# Altium PCB 移动无线控制.PcbDoc (part 1 of 4) (continued)
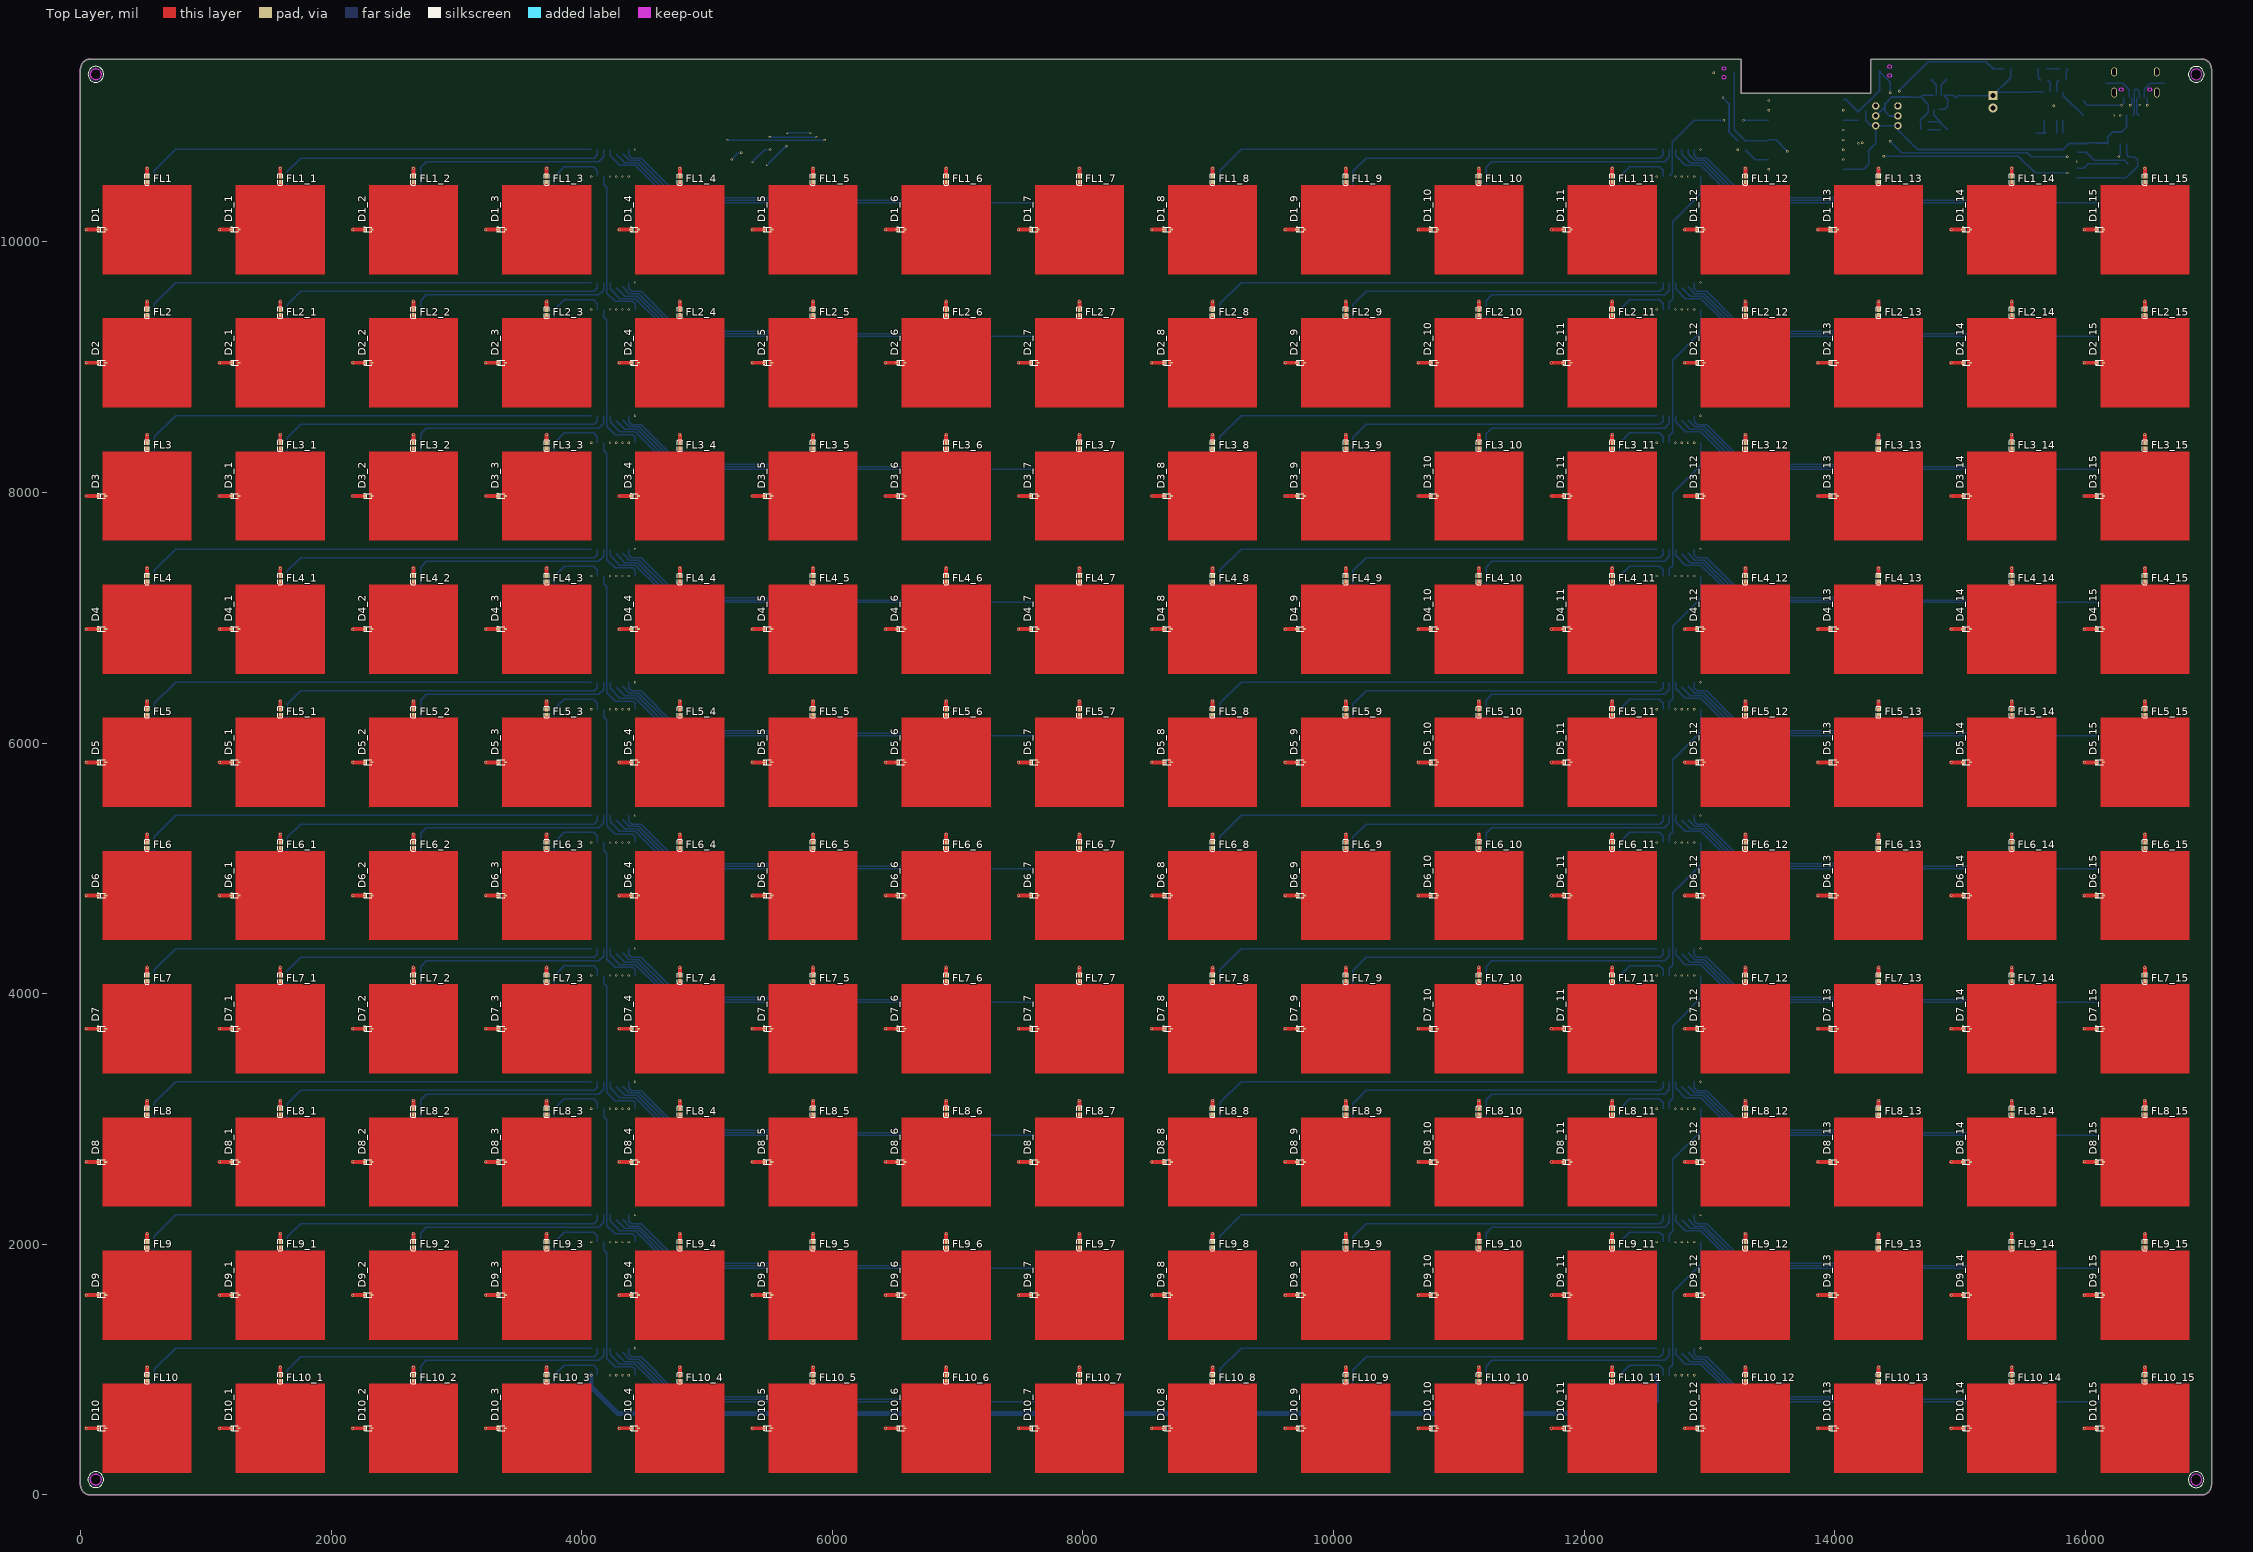
[diagram p0: Top Layer view]
## Components (designator, comment, footprint, x,y, rotation, side; value= is the part's Value field where it differs from the comment) (continued)
BR_8_1 "24K" R0603 560.26,10405.5 r0 bottom (schematic designator R57)
BR_8_2 "24K" R0603 9064.2,9342.51 r0 bottom (schematic designator R57)
BR_8_3 "24K" R0603 560.26,9342.51 r0 bottom (schematic designator R57)
BR_8_4 "24K" R0603 9064.2,8279.52 r0 bottom (schematic designator R57)
BR_8_5 "24K" R0603 560.26,8279.52 r0 bottom (schematic designator R57)
BR_8_6 "24K" R0603 9064.2,7216.52 r0 bottom (schematic designator R57)
BR_8_7 "24K" R0603 560.26,7216.52 r0 bottom (schematic designator R57)
BR_8_8 "24K" R0603 9064.2,6153.53 r0 bottom (schematic designator R57)
BR_8_9 "24K" R0603 560.26,6153.53 r0 bottom (schematic designator R57)
BR_8_10 "24K" R0603 9064.2,5090.54 r0 bottom (schematic designator R57)
BR_8_11 "24K" R0603 560.26,5090.54 r0 bottom (schematic designator R57)
BR_8_12 "24K" R0603 9064.2,4027.55 r0 bottom (schematic designator R57)
BR_8_13 "24K" R0603 560.26,4027.55 r0 bottom (schematic designator R57)
BR_8_14 "24K" R0603 9064.2,2964.56 r0 bottom (schematic designator R57)
BR_8_15 "24K" R0603 560.26,2964.56 r0 bottom (schematic designator R57)
BR_8_16 "24K" R0603 9064.2,1901.56 r0 bottom (schematic designator R57)
BR_8_17 "24K" R0603 560.26,1901.56 r0 bottom (schematic designator R57)
BR_8_18 "24K" R0603 9064.2,838.57 r0 bottom (schematic designator R57)
BR_8_19 "24K" R0603 560.26,838.57 r0 bottom (schematic designator R57)
C1 "22u" C0805 14689.2,11114.6 r90 bottom
C2 "68pF" C0603#1 14875.02,10893.91 r180 bottom
C3 "22u" C0805 14598,11114.9 r90 bottom
C4 "CC0603KRX7R9BB104" C0603#1 15608.9,10840.26 r90 bottom
C5 "10u" C0805 14968,11109.4 r90 bottom
C6 "CC0603KRX7R9BB104" C0603#1 15493.7,11167.7 r90 bottom
C7 "C0603" C0603#2 16098.7,10822 r270 bottom
C8 "C0603" C0603#2 16018.5,10820.1 r90 bottom
C9 "100nF" C0603#1 15572.2,11167 r90 bottom
C12 "10u" C0603#1 14244.4,10732 r0 bottom
C13 "100nF" C0603#1 14244.4,10654.4 r0 bottom
C14 "100nF" C0603#1 15683.3,10841.1 r90 bottom
D1 "Comment" SC-79_L1.2-W0.8-LS1.6-RD 170.91,10099 r0 top locked
D1_1 "Comment" SC-79_L1.2-W0.8-LS1.6-RD 1233.91,10099 r0 top locked
D1_2 "Comment" SC-79_L1.2-W0.8-LS1.6-RD 2296.9,10099 r0 top locked
D1_3 "Comment" SC-79_L1.2-W0.8-LS1.6-RD 3359.89,10099 r0 top locked
D1_4 "Comment" SC-79_L1.2-W0.8-LS1.6-RD 4422.88,10099 r0 top locked
D1_5 "Comment" SC-79_L1.2-W0.8-LS1.6-RD 5485.88,10099 r0 top locked
D1_6 "Comment" SC-79_L1.2-W0.8-LS1.6-RD 6548.87,10099 r0 top locked
D1_7 "Comment" SC-79_L1.2-W0.8-LS1.6-RD 7611.86,10099 r0 top locked
D1_8 "Comment" SC-79_L1.2-W0.8-LS1.6-RD 8674.85,10099 r0 top locked
D1_9 "Comment" SC-79_L1.2-W0.8-LS1.6-RD 9737.84,10099 r0 top locked
D1_10 "Comment" SC-79_L1.2-W0.8-LS1.6-RD 10800.84,10099 r0 top locked
D1_11 "Comment" SC-79_L1.2-W0.8-LS1.6-RD 11863.83,10099 r0 top locked
D1_12 "Comment" SC-79_L1.2-W0.8-LS1.6-RD 12926.82,10099 r0 top locked
D1_13 "Comment" SC-79_L1.2-W0.8-LS1.6-RD 13989.81,10099 r0 top locked
D1_14 "Comment" SC-79_L1.2-W0.8-LS1.6-RD 15052.8,10099 r0 top locked
D1_15 "Comment" SC-79_L1.2-W0.8-LS1.6-RD 16115.8,10099 r0 top locked
D2 "Comment" SC-79_L1.2-W0.8-LS1.6-RD 170.91,9036.01 r0 top locked
D2_1 "Comment" SC-79_L1.2-W0.8-LS1.6-RD 1233.91,9036.01 r0 top locked
D2_2 "Comment" SC-79_L1.2-W0.8-LS1.6-RD 2296.9,9036.01 r0 top locked
D2_3 "Comment" SC-79_L1.2-W0.8-LS1.6-RD 3359.89,9036.01 r0 top locked
D2_4 "Comment" SC-79_L1.2-W0.8-LS1.6-RD 4422.88,9036.01 r0 top locked
D2_5 "Comment" SC-79_L1.2-W0.8-LS1.6-RD 5485.88,9036.01 r0 top locked
D2_6 "Comment" SC-79_L1.2-W0.8-LS1.6-RD 6548.87,9036.01 r0 top locked
D2_7 "Comment" SC-79_L1.2-W0.8-LS1.6-RD 7611.86,9036.01 r0 top locked
D2_8 "Comment" SC-79_L1.2-W0.8-LS1.6-RD 8674.85,9036.01 r0 top locked
D2_9 "Comment" SC-79_L1.2-W0.8-LS1.6-RD 9737.84,9036.01 r0 top locked
D2_10 "Comment" SC-79_L1.2-W0.8-LS1.6-RD 10800.84,9036.01 r0 top locked
D2_11 "Comment" SC-79_L1.2-W0.8-LS1.6-RD 11863.83,9036.01 r0 top locked
D2_12 "Comment" SC-79_L1.2-W0.8-LS1.6-RD 12926.82,9036.01 r0 top locked
D2_13 "Comment" SC-79_L1.2-W0.8-LS1.6-RD 13989.81,9036.01 r0 top locked
D2_14 "Comment" SC-79_L1.2-W0.8-LS1.6-RD 15052.8,9036.01 r0 top locked
D2_15 "Comment" SC-79_L1.2-W0.8-LS1.6-RD 16115.8,9036.01 r0 top locked
D3 "Comment" SC-79_L1.2-W0.8-LS1.6-RD 170.91,7973.02 r0 top locked
D3_1 "Comment" SC-79_L1.2-W0.8-LS1.6-RD 1233.91,7973.02 r0 top locked
D3_2 "Comment" SC-79_L1.2-W0.8-LS1.6-RD 2296.9,7973.02 r0 top locked
D3_3 "Comment" SC-79_L1.2-W0.8-LS1.6-RD 3359.89,7973.02 r0 top locked
D3_4 "Comment" SC-79_L1.2-W0.8-LS1.6-RD 4422.88,7973.02 r0 top locked
D3_5 "Comment" SC-79_L1.2-W0.8-LS1.6-RD 5485.88,7973.02 r0 top locked
D3_6 "Comment" SC-79_L1.2-W0.8-LS1.6-RD 6548.87,7973.02 r0 top locked
D3_7 "Comment" SC-79_L1.2-W0.8-LS1.6-RD 7611.86,7973.02 r0 top locked
D3_8 "Comment" SC-79_L1.2-W0.8-LS1.6-RD 8674.85,7973.02 r0 top locked
D3_9 "Comment" SC-79_L1.2-W0.8-LS1.6-RD 9737.84,7973.02 r0 top locked
D3_10 "Comment" SC-79_L1.2-W0.8-LS1.6-RD 10800.84,7973.02 r0 top locked
D3_11 "Comment" SC-79_L1.2-W0.8-LS1.6-RD 11863.83,7973.02 r0 top locked
D3_12 "Comment" SC-79_L1.2-W0.8-LS1.6-RD 12926.82,7973.02 r0 top locked
D3_13 "Comment" SC-79_L1.2-W0.8-LS1.6-RD 13989.81,7973.02 r0 top locked
D3_14 "Comment" SC-79_L1.2-W0.8-LS1.6-RD 15052.8,7973.02 r0 top locked
D3_15 "Comment" SC-79_L1.2-W0.8-LS1.6-RD 16115.8,7973.02 r0 top locked
D4 "Comment" SC-79_L1.2-W0.8-LS1.6-RD 170.91,6910.02 r0 top locked
D4_1 "Comment" SC-79_L1.2-W0.8-LS1.6-RD 1233.91,6910.02 r0 top locked
D4_2 "Comment" SC-79_L1.2-W0.8-LS1.6-RD 2296.9,6910.02 r0 top locked
D4_3 "Comment" SC-79_L1.2-W0.8-LS1.6-RD 3359.89,6910.02 r0 top locked
D4_4 "Comment" SC-79_L1.2-W0.8-LS1.6-RD 4422.88,6910.02 r0 top locked
D4_5 "Comment" SC-79_L1.2-W0.8-LS1.6-RD 5485.88,6910.02 r0 top locked
D4_6 "Comment" SC-79_L1.2-W0.8-LS1.6-RD 6548.87,6910.02 r0 top locked
D4_7 "Comment" SC-79_L1.2-W0.8-LS1.6-RD 7611.86,6910.02 r0 top locked
D4_8 "Comment" SC-79_L1.2-W0.8-LS1.6-RD 8674.85,6910.02 r0 top locked
D4_9 "Comment" SC-79_L1.2-W0.8-LS1.6-RD 9737.84,6910.02 r0 top locked
D4_10 "Comment" SC-79_L1.2-W0.8-LS1.6-RD 10800.84,6910.02 r0 top locked
D4_11 "Comment" SC-79_L1.2-W0.8-LS1.6-RD 11863.83,6910.02 r0 top locked
D4_12 "Comment" SC-79_L1.2-W0.8-LS1.6-RD 12926.82,6910.02 r0 top locked
D4_13 "Comment" SC-79_L1.2-W0.8-LS1.6-RD 13989.81,6910.02 r0 top locked
D4_14 "Comment" SC-79_L1.2-W0.8-LS1.6-RD 15052.8,6910.02 r0 top locked
D4_15 "Comment" SC-79_L1.2-W0.8-LS1.6-RD 16115.8,6910.02 r0 top locked
D5 "Comment" SC-79_L1.2-W0.8-LS1.6-RD 170.91,5847.03 r0 top locked
D5_1 "Comment" SC-79_L1.2-W0.8-LS1.6-RD 1233.91,5847.03 r0 top locked
D5_2 "Comment" SC-79_L1.2-W0.8-LS1.6-RD 2296.9,5847.03 r0 top locked
D5_3 "Comment" SC-79_L1.2-W0.8-LS1.6-RD 3359.89,5847.03 r0 top locked
D5_4 "Comment" SC-79_L1.2-W0.8-LS1.6-RD 4422.88,5847.03 r0 top locked
D5_5 "Comment" SC-79_L1.2-W0.8-LS1.6-RD 5485.88,5847.03 r0 top locked
D5_6 "Comment" SC-79_L1.2-W0.8-LS1.6-RD 6548.87,5847.03 r0 top locked
D5_7 "Comment" SC-79_L1.2-W0.8-LS1.6-RD 7611.86,5847.03 r0 top locked
D5_8 "Comment" SC-79_L1.2-W0.8-LS1.6-RD 8674.85,5847.03 r0 top locked
D5_9 "Comment" SC-79_L1.2-W0.8-LS1.6-RD 9737.84,5847.03 r0 top locked
D5_10 "Comment" SC-79_L1.2-W0.8-LS1.6-RD 10800.84,5847.03 r0 top locked
D5_11 "Comment" SC-79_L1.2-W0.8-LS1.6-RD 11863.83,5847.03 r0 top locked
D5_12 "Comment" SC-79_L1.2-W0.8-LS1.6-RD 12926.82,5847.03 r0 top locked
D5_13 "Comment" SC-79_L1.2-W0.8-LS1.6-RD 13989.81,5847.03 r0 top locked
D5_14 "Comment" SC-79_L1.2-W0.8-LS1.6-RD 15052.8,5847.03 r0 top locked
D5_15 "Comment" SC-79_L1.2-W0.8-LS1.6-RD 16115.8,5847.03 r0 top locked
D6 "Comment" SC-79_L1.2-W0.8-LS1.6-RD 170.91,4784.04 r0 top locked
D6_1 "Comment" SC-79_L1.2-W0.8-LS1.6-RD 1233.91,4784.04 r0 top locked
D6_2 "Comment" SC-79_L1.2-W0.8-LS1.6-RD 2296.9,4784.04 r0 top locked
D6_3 "Comment" SC-79_L1.2-W0.8-LS1.6-RD 3359.89,4784.04 r0 top locked
D6_4 "Comment" SC-79_L1.2-W0.8-LS1.6-RD 4422.88,4784.04 r0 top locked
D6_5 "Comment" SC-79_L1.2-W0.8-LS1.6-RD 5485.88,4784.04 r0 top locked
D6_6 "Comment" SC-79_L1.2-W0.8-LS1.6-RD 6548.87,4784.04 r0 top locked
D6_7 "Comment" SC-79_L1.2-W0.8-LS1.6-RD 7611.86,4784.04 r0 top locked
D6_8 "Comment" SC-79_L1.2-W0.8-LS1.6-RD 8674.85,4784.04 r0 top locked
D6_9 "Comment" SC-79_L1.2-W0.8-LS1.6-RD 9737.84,4784.04 r0 top locked
D6_10 "Comment" SC-79_L1.2-W0.8-LS1.6-RD 10800.84,4784.04 r0 top locked
D6_11 "Comment" SC-79_L1.2-W0.8-LS1.6-RD 11863.83,4784.04 r0 top locked
D6_12 "Comment" SC-79_L1.2-W0.8-LS1.6-RD 12926.82,4784.04 r0 top locked
D6_13 "Comment" SC-79_L1.2-W0.8-LS1.6-RD 13989.81,4784.04 r0 top locked
D6_14 "Comment" SC-79_L1.2-W0.8-LS1.6-RD 15052.8,4784.04 r0 top locked
D6_15 "Comment" SC-79_L1.2-W0.8-LS1.6-RD 16115.8,4784.04 r0 top locked
D7 "Comment" SC-79_L1.2-W0.8-LS1.6-RD 170.91,3721.05 r0 top locked
D7_1 "Comment" SC-79_L1.2-W0.8-LS1.6-RD 1233.91,3721.05 r0 top locked
D7_2 "Comment" SC-79_L1.2-W0.8-LS1.6-RD 2296.9,3721.05 r0 top locked
D7_3 "Comment" SC-79_L1.2-W0.8-LS1.6-RD 3359.89,3721.05 r0 top locked
D7_4 "Comment" SC-79_L1.2-W0.8-LS1.6-RD 4422.88,3721.05 r0 top locked
D7_5 "Comment" SC-79_L1.2-W0.8-LS1.6-RD 5485.88,3721.05 r0 top locked
D7_6 "Comment" SC-79_L1.2-W0.8-LS1.6-RD 6548.87,3721.05 r0 top locked
D7_7 "Comment" SC-79_L1.2-W0.8-LS1.6-RD 7611.86,3721.05 r0 top locked
D7_8 "Comment" SC-79_L1.2-W0.8-LS1.6-RD 8674.85,3721.05 r0 top locked
D7_9 "Comment" SC-79_L1.2-W0.8-LS1.6-RD 9737.84,3721.05 r0 top locked
D7_10 "Comment" SC-79_L1.2-W0.8-LS1.6-RD 10800.84,3721.05 r0 top locked
D7_11 "Comment" SC-79_L1.2-W0.8-LS1.6-RD 11863.83,3721.05 r0 top locked
D7_12 "Comment" SC-79_L1.2-W0.8-LS1.6-RD 12926.82,3721.05 r0 top locked
D7_13 "Comment" SC-79_L1.2-W0.8-LS1.6-RD 13989.81,3721.05 r0 top locked
D7_14 "Comment" SC-79_L1.2-W0.8-LS1.6-RD 15052.8,3721.05 r0 top locked
D7_15 "Comment" SC-79_L1.2-W0.8-LS1.6-RD 16115.8,3721.05 r0 top locked
D8 "Comment" SC-79_L1.2-W0.8-LS1.6-RD 170.91,2658.06 r0 top locked
D8_1 "Comment" SC-79_L1.2-W0.8-LS1.6-RD 1233.91,2658.06 r0 top locked
D8_2 "Comment" SC-79_L1.2-W0.8-LS1.6-RD 2296.9,2658.06 r0 top locked
D8_3 "Comment" SC-79_L1.2-W0.8-LS1.6-RD 3359.89,2658.06 r0 top locked
D8_4 "Comment" SC-79_L1.2-W0.8-LS1.6-RD 4422.88,2658.06 r0 top locked
D8_5 "Comment" SC-79_L1.2-W0.8-LS1.6-RD 5485.88,2658.06 r0 top locked
D8_6 "Comment" SC-79_L1.2-W0.8-LS1.6-RD 6548.87,2658.06 r0 top locked
D8_7 "Comment" SC-79_L1.2-W0.8-LS1.6-RD 7611.86,2658.06 r0 top locked
D8_8 "Comment" SC-79_L1.2-W0.8-LS1.6-RD 8674.85,2658.06 r0 top locked
D8_9 "Comment" SC-79_L1.2-W0.8-LS1.6-RD 9737.84,2658.06 r0 top locked
D8_10 "Comment" SC-79_L1.2-W0.8-LS1.6-RD 10800.84,2658.06 r0 top locked
D8_11 "Comment" SC-79_L1.2-W0.8-LS1.6-RD 11863.83,2658.06 r0 top locked
D8_12 "Comment" SC-79_L1.2-W0.8-LS1.6-RD 12926.82,2658.06 r0 top locked
D8_13 "Comment" SC-79_L1.2-W0.8-LS1.6-RD 13989.81,2658.06 r0 top locked
D8_14 "Comment" SC-79_L1.2-W0.8-LS1.6-RD 15052.8,2658.06 r0 top locked
D8_15 "Comment" SC-79_L1.2-W0.8-LS1.6-RD 16115.8,2658.06 r0 top locked
D9 "Comment" SC-79_L1.2-W0.8-LS1.6-RD 170.91,1595.06 r0 top locked
D9_1 "Comment" SC-79_L1.2-W0.8-LS1.6-RD 1233.91,1595.06 r0 top locked
D9_2 "Comment" SC-79_L1.2-W0.8-LS1.6-RD 2296.9,1595.06 r0 top locked
D9_3 "Comment" SC-79_L1.2-W0.8-LS1.6-RD 3359.89,1595.06 r0 top locked
D9_4 "Comment" SC-79_L1.2-W0.8-LS1.6-RD 4422.88,1595.06 r0 top locked
D9_5 "Comment" SC-79_L1.2-W0.8-LS1.6-RD 5485.88,1595.06 r0 top locked
D9_6 "Comment" SC-79_L1.2-W0.8-LS1.6-RD 6548.87,1595.06 r0 top locked
D9_7 "Comment" SC-79_L1.2-W0.8-LS1.6-RD 7611.86,1595.06 r0 top locked
D9_8 "Comment" SC-79_L1.2-W0.8-LS1.6-RD 8674.85,1595.06 r0 top locked
D9_9 "Comment" SC-79_L1.2-W0.8-LS1.6-RD 9737.84,1595.06 r0 top locked
D9_10 "Comment" SC-79_L1.2-W0.8-LS1.6-RD 10800.84,1595.06 r0 top locked
D9_11 "Comment" SC-79_L1.2-W0.8-LS1.6-RD 11863.83,1595.06 r0 top locked
D9_12 "Comment" SC-79_L1.2-W0.8-LS1.6-RD 12926.82,1595.06 r0 top locked
D9_13 "Comment" SC-79_L1.2-W0.8-LS1.6-RD 13989.81,1595.06 r0 top locked
D9_14 "Comment" SC-79_L1.2-W0.8-LS1.6-RD 15052.8,1595.06 r0 top locked
D9_15 "Comment" SC-79_L1.2-W0.8-LS1.6-RD 16115.8,1595.06 r0 top locked
D10 "Comment" SC-79_L1.2-W0.8-LS1.6-RD 170.91,532.07 r0 top locked
D10_1 "Comment" SC-79_L1.2-W0.8-LS1.6-RD 1233.91,532.07 r0 top locked
D10_2 "Comment" SC-79_L1.2-W0.8-LS1.6-RD 2296.9,532.07 r0 top locked
D10_3 "Comment" SC-79_L1.2-W0.8-LS1.6-RD 3359.89,532.07 r0 top locked
D10_4 "Comment" SC-79_L1.2-W0.8-LS1.6-RD 4422.88,532.07 r0 top locked
D10_5 "Comment" SC-79_L1.2-W0.8-LS1.6-RD 5485.88,532.07 r0 top locked
D10_6 "Comment" SC-79_L1.2-W0.8-LS1.6-RD 6548.87,532.07 r0 top locked
D10_7 "Comment" SC-79_L1.2-W0.8-LS1.6-RD 7611.86,532.07 r0 top locked
D10_8 "Comment" SC-79_L1.2-W0.8-LS1.6-RD 8674.85,532.07 r0 top locked
D10_9 "Comment" SC-79_L1.2-W0.8-LS1.6-RD 9737.84,532.07 r0 top locked
D10_10 "Comment" SC-79_L1.2-W0.8-LS1.6-RD 10800.84,532.07 r0 top locked
D10_11 "Comment" SC-79_L1.2-W0.8-LS1.6-RD 11863.83,532.07 r0 top locked
D10_12 "Comment" SC-79_L1.2-W0.8-LS1.6-RD 12926.82,532.07 r0 top locked
D10_13 "Comment" SC-79_L1.2-W0.8-LS1.6-RD 13989.81,532.07 r0 top locked
D10_14 "Comment" SC-79_L1.2-W0.8-LS1.6-RD 15052.8,532.07 r0 top locked
D10_15 "Comment" SC-79_L1.2-W0.8-LS1.6-RD 16115.8,532.07 r0 top locked
FL1 "Comment" L0402 530.84,10499.94 r270 top locked
FL1_1 "Comment" L0402 1593.83,10499.94 r270 top locked
FL1_2 "Comment" L0402 2656.83,10499.94 r270 top locked
FL1_3 "Comment" L0402 3719.82,10499.94 r270 top locked
FL1_4 "Comment" L0402 4782.81,10499.94 r270 top locked
FL1_5 "Comment" L0402 5845.8,10499.94 r270 top locked
FL1_6 "Comment" L0402 6908.8,10499.94 r270 top locked
FL1_7 "Comment" L0402 7971.79,10499.94 r270 top locked
FL1_8 "Comment" L0402 9034.78,10499.94 r270 top locked
FL1_9 "Comment" L0402 10097.77,10499.94 r270 top locked
FL1_10 "Comment" L0402 11160.76,10499.94 r270 top locked
FL1_11 "Comment" L0402 12223.76,10499.94 r270 top locked
FL1_12 "Comment" L0402 13286.75,10499.94 r270 top locked
FL1_13 "Comment" L0402 14349.74,10499.94 r270 top locked
FL1_14 "Comment" L0402 15412.73,10499.94 r270 top locked
FL1_15 "Comment" L0402 16475.72,10499.94 r270 top locked
FL2 "Comment" L0402 530.84,9436.95 r270 top locked
FL2_1 "Comment" L0402 1593.83,9436.95 r270 top locked
FL2_2 "Comment" L0402 2656.83,9436.95 r270 top locked
FL2_3 "Comment" L0402 3719.82,9436.95 r270 top locked
FL2_4 "Comment" L0402 4782.81,9436.95 r270 top locked
FL2_5 "Comment" L0402 5845.8,9436.95 r270 top locked
FL2_6 "Comment" L0402 6908.8,9436.95 r270 top locked
FL2_7 "Comment" L0402 7971.79,9436.95 r270 top locked
FL2_8 "Comment" L0402 9034.78,9436.95 r270 top locked
FL2_9 "Comment" L0402 10097.77,9436.95 r270 top locked
FL2_10 "Comment" L0402 11160.76,9436.95 r270 top locked
FL2_11 "Comment" L0402 12223.76,9436.95 r270 top locked
FL2_12 "Comment" L0402 13286.75,9436.95 r270 top locked
FL2_13 "Comment" L0402 14349.74,9436.95 r270 top locked
FL2_14 "Comment" L0402 15412.73,9436.95 r270 top locked
FL2_15 "Comment" L0402 16475.72,9436.95 r270 top locked
FL3 "Comment" L0402 530.84,8373.96 r270 top locked
FL3_1 "Comment" L0402 1593.83,8373.96 r270 top locked
FL3_2 "Comment" L0402 2656.83,8373.96 r270 top locked
FL3_3 "Comment" L0402 3719.82,8373.96 r270 top locked
FL3_4 "Comment" L0402 4782.81,8373.96 r270 top locked
FL3_5 "Comment" L0402 5845.8,8373.96 r270 top locked
FL3_6 "Comment" L0402 6908.8,8373.96 r270 top locked
FL3_7 "Comment" L0402 7971.79,8373.96 r270 top locked
FL3_8 "Comment" L0402 9034.78,8373.96 r270 top locked
FL3_9 "Comment" L0402 10097.77,8373.96 r270 top locked
FL3_10 "Comment" L0402 11160.76,8373.96 r270 top locked
FL3_11 "Comment" L0402 12223.76,8373.96 r270 top locked
FL3_12 "Comment" L0402 13286.75,8373.96 r270 top locked
FL3_13 "Comment" L0402 14349.74,8373.96 r270 top locked
FL3_14 "Comment" L0402 15412.73,8373.96 r270 top locked
FL3_15 "Comment" L0402 16475.72,8373.96 r270 top locked
FL4 "Comment" L0402 530.84,7310.97 r270 top locked
FL4_1 "Comment" L0402 1593.83,7310.97 r270 top locked
FL4_2 "Comment" L0402 2656.83,7310.97 r270 top locked
FL4_3 "Comment" L0402 3719.82,7310.97 r270 top locked
FL4_4 "Comment" L0402 4782.81,7310.97 r270 top locked
FL4_5 "Comment" L0402 5845.8,7310.97 r270 top locked
FL4_6 "Comment" L0402 6908.8,7310.97 r270 top locked
FL4_7 "Comment" L0402 7971.79,7310.97 r270 top locked
FL4_8 "Comment" L0402 9034.78,7310.97 r270 top locked
FL4_9 "Comment" L0402 10097.77,7310.97 r270 top locked
FL4_10 "Comment" L0402 11160.76,7310.97 r270 top locked
FL4_11 "Comment" L0402 12223.76,7310.97 r270 top locked
FL4_12 "Comment" L0402 13286.75,7310.97 r270 top locked
FL4_13 "Comment" L0402 14349.74,7310.97 r270 top locked
FL4_14 "Comment" L0402 15412.73,7310.97 r270 top locked
FL4_15 "Comment" L0402 16475.72,7310.97 r270 top locked
FL5 "Comment" L0402 530.84,6247.97 r270 top locked
FL5_1 "Comment" L0402 1593.83,6247.97 r270 top locked
FL5_2 "Comment" L0402 2656.83,6247.97 r270 top locked
FL5_3 "Comment" L0402 3719.82,6247.97 r270 top locked
FL5_4 "Comment" L0402 4782.81,6247.97 r270 top locked
FL5_5 "Comment" L0402 5845.8,6247.97 r270 top locked
FL5_6 "Comment" L0402 6908.8,6247.97 r270 top locked
FL5_7 "Comment" L0402 7971.79,6247.97 r270 top locked
FL5_8 "Comment" L0402 9034.78,6247.97 r270 top locked
FL5_9 "Comment" L0402 10097.77,6247.97 r270 top locked
FL5_10 "Comment" L0402 11160.76,6247.97 r270 top locked
FL5_11 "Comment" L0402 12223.76,6247.97 r270 top locked
FL5_12 "Comment" L0402 13286.75,6247.97 r270 top locked
FL5_13 "Comment" L0402 14349.74,6247.97 r270 top locked
FL5_14 "Comment" L0402 15412.73,6247.97 r270 top locked
FL5_15 "Comment" L0402 16475.72,6247.97 r270 top locked
FL6 "Comment" L0402 530.84,5184.98 r270 top locked
FL6_1 "Comment" L0402 1593.83,5184.98 r270 top locked
FL6_2 "Comment" L0402 2656.83,5184.98 r270 top locked
FL6_3 "Comment" L0402 3719.82,5184.98 r270 top locked
FL6_4 "Comment" L0402 4782.81,5184.98 r270 top locked
FL6_5 "Comment" L0402 5845.8,5184.98 r270 top locked
FL6_6 "Comment" L0402 6908.8,5184.98 r270 top locked
FL6_7 "Comment" L0402 7971.79,5184.98 r270 top locked
FL6_8 "Comment" L0402 9034.78,5184.98 r270 top locked
FL6_9 "Comment" L0402 10097.77,5184.98 r270 top locked
FL6_10 "Comment" L0402 11160.76,5184.98 r270 top locked
FL6_11 "Comment" L0402 12223.76,5184.98 r270 top locked
FL6_12 "Comment" L0402 13286.75,5184.98 r270 top locked
FL6_13 "Comment" L0402 14349.74,5184.98 r270 top locked
FL6_14 "Comment" L0402 15412.73,5184.98 r270 top locked
FL6_15 "Comment" L0402 16475.72,5184.98 r270 top locked
FL7 "Comment" L0402 530.84,4121.99 r270 top locked
FL7_1 "Comment" L0402 1593.83,4121.99 r270 top locked
FL7_2 "Comment" L0402 2656.83,4121.99 r270 top locked
FL7_3 "Comment" L0402 3719.82,4121.99 r270 top locked
FL7_4 "Comment" L0402 4782.81,4121.99 r270 top locked
FL7_5 "Comment" L0402 5845.8,4121.99 r270 top locked
FL7_6 "Comment" L0402 6908.8,4121.99 r270 top locked
FL7_7 "Comment" L0402 7971.79,4121.99 r270 top locked
FL7_8 "Comment" L0402 9034.78,4121.99 r270 top locked
FL7_9 "Comment" L0402 10097.77,4121.99 r270 top locked
FL7_10 "Comment" L0402 11160.76,4121.99 r270 top locked
FL7_11 "Comment" L0402 12223.76,4121.99 r270 top locked
FL7_12 "Comment" L0402 13286.75,4121.99 r270 top locked
FL7_13 "Comment" L0402 14349.74,4121.99 r270 top locked
FL7_14 "Comment" L0402 15412.73,4121.99 r270 top locked
FL7_15 "Comment" L0402 16475.72,4121.99 r270 top locked
FL8 "Comment" L0402 530.84,3059 r270 top locked
FL8_1 "Comment" L0402 1593.83,3059 r270 top locked
FL8_2 "Comment" L0402 2656.83,3059 r270 top locked
FL8_3 "Comment" L0402 3719.82,3059 r270 top locked
FL8_4 "Comment" L0402 4782.81,3059 r270 top locked
FL8_5 "Comment" L0402 5845.8,3059 r270 top locked
FL8_6 "Comment" L0402 6908.8,3059 r270 top locked
FL8_7 "Comment" L0402 7971.79,3059 r270 top locked
FL8_8 "Comment" L0402 9034.78,3059 r270 top locked
FL8_9 "Comment" L0402 10097.77,3059 r270 top locked
FL8_10 "Comment" L0402 11160.76,3059 r270 top locked
FL8_11 "Comment" L0402 12223.76,3059 r270 top locked
FL8_12 "Comment" L0402 13286.75,3059 r270 top locked
FL8_13 "Comment" L0402 14349.74,3059 r270 top locked
FL8_14 "Comment" L0402 15412.73,3059 r270 top locked
FL8_15 "Comment" L0402 16475.72,3059 r270 top locked
FL9 "Comment" L0402 530.84,1996.01 r270 top locked
FL9_1 "Comment" L0402 1593.83,1996.01 r270 top locked
FL9_2 "Comment" L0402 2656.83,1996.01 r270 top locked
FL9_3 "Comment" L0402 3719.82,1996.01 r270 top locked
FL9_4 "Comment" L0402 4782.81,1996.01 r270 top locked
FL9_5 "Comment" L0402 5845.8,1996.01 r270 top locked
FL9_6 "Comment" L0402 6908.8,1996.01 r270 top locked
FL9_7 "Comment" L0402 7971.79,1996.01 r270 top locked
FL9_8 "Comment" L0402 9034.78,1996.01 r270 top locked
FL9_9 "Comment" L0402 10097.77,1996.01 r270 top locked
FL9_10 "Comment" L0402 11160.76,1996.01 r270 top locked
FL9_11 "Comment" L0402 12223.76,1996.01 r270 top locked
FL9_12 "Comment" L0402 13286.75,1996.01 r270 top locked
FL9_13 "Comment" L0402 14349.74,1996.01 r270 top locked
FL9_14 "Comment" L0402 15412.73,1996.01 r270 top locked
FL9_15 "Comment" L0402 16475.72,1996.01 r270 top locked
FL10 "Comment" L0402 530.84,933.01 r270 top locked
FL10_1 "Comment" L0402 1593.83,933.01 r270 top locked
FL10_2 "Comment" L0402 2656.83,933.01 r270 top locked
FL10_3 "Comment" L0402 3719.82,933.01 r270 top locked
FL10_4 "Comment" L0402 4782.81,933.01 r270 top locked
FL10_5 "Comment" L0402 5845.8,933.01 r270 top locked
FL10_6 "Comment" L0402 6908.8,933.01 r270 top locked
FL10_7 "Comment" L0402 7971.79,933.01 r270 top locked
FL10_8 "Comment" L0402 9034.78,933.01 r270 top locked
FL10_9 "Comment" L0402 10097.77,933.01 r270 top locked
FL10_10 "Comment" L0402 11160.76,933.01 r270 top locked
FL10_11 "Comment" L0402 12223.76,933.01 r270 top locked
FL10_12 "Comment" L0402 13286.75,933.01 r270 top locked
FL10_13 "Comment" L0402 14349.74,933.01 r270 top locked
FL10_14 "Comment" L0402 15412.73,933.01 r270 top locked
FL10_15 "Comment" L0402 16475.72,933.01 r270 top locked
H5 "HDR-M_2.54_1x2P" HDR-TH_2P-P2.54-V-M-1 15263.6,11119.1 r270 bottom
L1 "3.3uH" IND-SMD_L4.0-W4.0_SMNR4012 14830.2,11297.5 r180 bottom
LED1 "19-217/GHC-YR1S2/3T" LED0603-R-RD 15827.8,11383.8 r180 bottom
LED2 "19-217/GHC-YR1S2/3T" LED0603-R-RD 15660.1,11385.3 r0 bottom
Q1 "S8050" SOT-23-3_L2.9-W1.3-P1.90-LS2.4-BR 15895.3,10680.3 r0 bottom
Q2 "S8050" SOT-23-3_L2.9-W1.3-P1.90-LS2.4-BR 15894.6,10550.3 r0 bottom
R1 "820k" R0603 14714.02,10960.42 r180 bottom
R2 "750k" R0603 14715.02,10894.12 r180 bottom
R3 "143k" R0603 14874.02,10960.42 r180 bottom
R4 "AC1206FR-7W10KL" R1206 15982.6,11068.5 r270 bottom
R5 "TR0402D10K0Q1025Z" R0603 15818.9,11292.8 r0 bottom
R6 "TR0402D10K0Q1025Z" R0603 15672.6,11292 r180 bottom
R7 "TR0402D10K0Q1025Z" R0603 15797.4,10868.3 r180 bottom
R8 "CR0603FA4R30G" R0603 16345.2,10651.7 r270 bottom
R9 "RC0402FR-075K1L" R0402 16636.4,11284.6 r270 bottom
R10 "RC0402FR-075K1L" R0402 16163,11284.6 r90 bottom
R11 "10K" R0603 14218.1,11040.5 r180 bottom
R12 "10K" R0603 14218.7,10970.1 r180 bottom
R13 "10K" R0603 13255.6,10737.2 r0 bottom
R14 "10K" R0603 13255.9,10808.7 r0 bottom
R15 "230K" R0603 15375.1,11382.5 r180 bottom
R16 "100K" R0603 15232,11384.3 r180 bottom
R17 "CR0603FA4R30G" R0603 16266.8,10653.1 r270 bottom
SW1 "TS-KG88C-ACT25F" KEY-SMD_L4.0-W2.9-LS4.8 13115.9,11349.9 r180 bottom
SW2 "TS-KG88C-ACT25F" KEY-SMD_L4.0-W2.9-LS4.8 14439.1,11363.6 r0 bottom
SW4 "PS-5850A-6PL" SW-TH_6P-L5.8-W5.8-P2.00-LS4.5-BL 14416.72,11006.5 r270 bottom
U2 "TP4056" ESOP-8_L4.9-W3.9-P1.27-LS6.0-BL-EP 15747,11086.2 r180 bottom
U4 "CH340C" SOP-16_L10.0-W3.9-P1.27-LS6.0-BL 16354.3,10895.3 r0 bottom
U5 "ESP-12F(ESP8266MOD)" WIFIM-SMD_ESP-12F-ESP8266MOD 13771.4,10828.4 r270 bottom
U6 "74HC595D" SOIC-16_L9.9-W3.9-P1.27-LS6.0-BL 12755.1,10630.6 r0 bottom
U6_1 "74HC595D" SOIC-16_L9.9-W3.9-P1.27-LS6.0-BL 4251.16,10630.6 r0 bottom (schematic designator U6)
U6_2 "74HC595D" SOIC-16_L9.9-W3.9-P1.27-LS6.0-BL 12755.1,9567.61 r0 bottom (schematic designator U6)
U6_3 "74HC595D" SOIC-16_L9.9-W3.9-P1.27-LS6.0-BL 4251.16,9567.61 r0 bottom (schematic designator U6)
U6_4 "74HC595D" SOIC-16_L9.9-W3.9-P1.27-LS6.0-BL 12755.1,8504.62 r0 bottom (schematic designator U6)
U6_5 "74HC595D" SOIC-16_L9.9-W3.9-P1.27-LS6.0-BL 4251.16,8504.62 r0 bottom (schematic designator U6)
U6_6 "74HC595D" SOIC-16_L9.9-W3.9-P1.27-LS6.0-BL 12755.1,7441.62 r0 bottom (schematic designator U6)
U6_7 "74HC595D" SOIC-16_L9.9-W3.9-P1.27-LS6.0-BL 4251.16,7441.62 r0 bottom (schematic designator U6)
U6_8 "74HC595D" SOIC-16_L9.9-W3.9-P1.27-LS6.0-BL 12755.1,6378.63 r0 bottom (schematic designator U6)
U6_9 "74HC595D" SOIC-16_L9.9-W3.9-P1.27-LS6.0-BL 4251.16,6378.63 r0 bottom (schematic designator U6)
U6_10 "74HC595D" SOIC-16_L9.9-W3.9-P1.27-LS6.0-BL 12755.1,5315.64 r0 bottom (schematic designator U6)
U6_11 "74HC595D" SOIC-16_L9.9-W3.9-P1.27-LS6.0-BL 4251.16,5315.64 r0 bottom (schematic designator U6)
U6_12 "74HC595D" SOIC-16_L9.9-W3.9-P1.27-LS6.0-BL 12755.1,4252.65 r0 bottom (schematic designator U6)
U6_13 "74HC595D" SOIC-16_L9.9-W3.9-P1.27-LS6.0-BL 4251.16,4252.65 r0 bottom (schematic designator U6)
U6_14 "74HC595D" SOIC-16_L9.9-W3.9-P1.27-LS6.0-BL 12755.1,3189.66 r0 bottom (schematic designator U6)
U6_15 "74HC595D" SOIC-16_L9.9-W3.9-P1.27-LS6.0-BL 4251.16,3189.66 r0 bottom (schematic designator U6)
U6_16 "74HC595D" SOIC-16_L9.9-W3.9-P1.27-LS6.0-BL 12755.1,2126.66 r0 bottom (schematic designator U6)
U6_17 "74HC595D" SOIC-16_L9.9-W3.9-P1.27-LS6.0-BL 4251.16,2126.66 r0 bottom (schematic designator U6)
U6_18 "74HC595D" SOIC-16_L9.9-W3.9-P1.27-LS6.0-BL 12755.1,1063.67 r0 bottom (schematic designator U6)
U6_19 "74HC595D" SOIC-16_L9.9-W3.9-P1.27-LS6.0-BL 4251.16,1063.67 r0 bottom (schematic designator U6)
U25 "MP2155" QFN10 14829.8,11112.59 r270 bottom
USBC1 "918-418K2023S40001" USB-C-SMD_TYPE-C-USB-17 16400.8,11253.7 r0 bottom

## Footprints (in the part's own frame and the unit in brackets; to place one, negate y for a bottom-side part, rotate by r counter-clockwise, add the part's x,y. Pads: shape width x height; smd on the part's side, far side on the other; paste and mask are expansions set on the pad)
C0603#1 [mm]
  rect 0.8x0.9 smd mask+0.051: 1(-0.7,0) 2(0.7,0)
  silkscreen extent -1.41,-0.71 1.39,0.72
C0603#2 [mm]
  rect 0.8x1.001 smd mask+0.051: 1(-0.8,0) 2(0.8,0)
  silkscreen extent -1.41,-0.71 1.39,0.72
C0805 [mm]
  rect 1.41x1.35 smd mask+0.051: 1(-1.03,0) 2(1.03,0)
  silkscreen extent -1.96,-0.9 1.96,0.9
ESOP-8_L4.9-W3.9-P1.27-LS6.0-BL-EP [mil]
  rect 23.6x47.2 smd mask+2: 1(-75,-114.5) 2(-25,-114.5) 3(25,-114.5) 4(75,-114.5) 5(75,114.5) 6(25,114.5) 7(-25,114.5) 8(-75,114.5)
  rect 137.8x98.4 smd mask+2: 9(0,0)
  silkscreen extent -126,-105 100,81
HDR-TH_2P-P2.54-V-M-1 [mm]
  rect 1.8x1.8 hole 1 mask+0.051: 1(-1.27,0)
  round 1.8 hole 1 mask+0.051: 2(1.27,0)
  silkscreen extent -2.54,-1.27 2.54,1.27
IND-SMD_L4.0-W4.0_SMNR4012 [mil]
  rect 51.2x145.7 smd mask+2: 1(-63,0) 2(63,0)
  silkscreen extent -82,-82 84,83
KEY-SMD_L4.0-W2.9-LS4.8 [mm]
  rect 1.35x1.8 smd mask+0.051: 1(-2.08,0) 2(2.08,0)
  Keep-Out Layer board cut-out: -0.375,0.9 -0.338,0.737 -0.234,0.607 -0.084,0.534 0.083,0.534 0.234,0.607 0.338,0.737 0.375,0.9 0.375,0.9 0.338,1.063 0.234,1.193 0.083,1.266 -0.084,1.266 -0.234,1.193 -0.338,1.063 -0.375,0.9 -0.375,0.9
  Keep-Out Layer board cut-out: -0.375,-0.9 -0.338,-1.063 -0.234,-1.193 -0.084,-1.266 0.083,-1.266 0.234,-1.193 0.338,-1.063 0.375,-0.9 0.375,-0.9 0.338,-0.737 0.234,-0.607 0.083,-0.534 -0.084,-0.534 -0.234,-0.607 -0.338,-0.737 -0.375,-0.9 -0.375,-0.9
  silkscreen extent -2,-1.45 2,1.45
L0402 [mm]
  rect 0.79x0.54 smd: 1(-0.545,0) 2(0.545,0)
  silkscreen extent -1.17,-0.5 1.17,0.5
LED0603-R-RD [mm]
  rect 0.8x0.8 smd mask+0.051: 1(0.851,0) 2(-0.851,0)
  silkscreen extent -1.82,-0.86 1.77,0.86
QFN10 [mil]
  oval 30.91x11.03 smd mask+4: 1(-57.41,39.4) 2(-57.41,19.7) 3(-57.41,0) 4(-57.41,-19.7) 5(-57.41,-39.4) 6(53.41,-39.4) 7(53.41,-19.7) 8(53.41,0) 9(53.41,19.7) 10(53.41,39.4)
  rect 57.1x88.6 smd mask+4: 11(-2,0)
  silkscreen extent -86,-62 60,62
R0402 [mm]
  rect 0.566x0.54 smd mask+0.051: 1(-0.433,0) 2(0.433,0)
  silkscreen extent -0.94,-0.5 0.94,0.5
R0603 [mil]
  rect 31.75x34.02 smd mask+2: 1(-29.66,0) 2(29.66,0)
  silkscreen extent -55,-26 55,26